# Altium PCB higgs.PcbDoc (part 17 of 25)
Units mm, origin at the board's own origin, x right, y up, seen from the top; angles counter-clockwise.
Board outline 160 x 160 mm, 15 copper layers (TOP, P1(GND), S1(V), P2(GND), S2(H), P3(GND), S3(V12/V2V5), S4(VDDR), P4(GND), S5(V), P5(GND), S6(H), P6(GND), P1(GND) (Plane1), BOT), stack 3.262 mm thick; 1283 components, 2419 nets, 11066 pads, 5487 vias.
Unrouted connection lines stored in the file: 239.
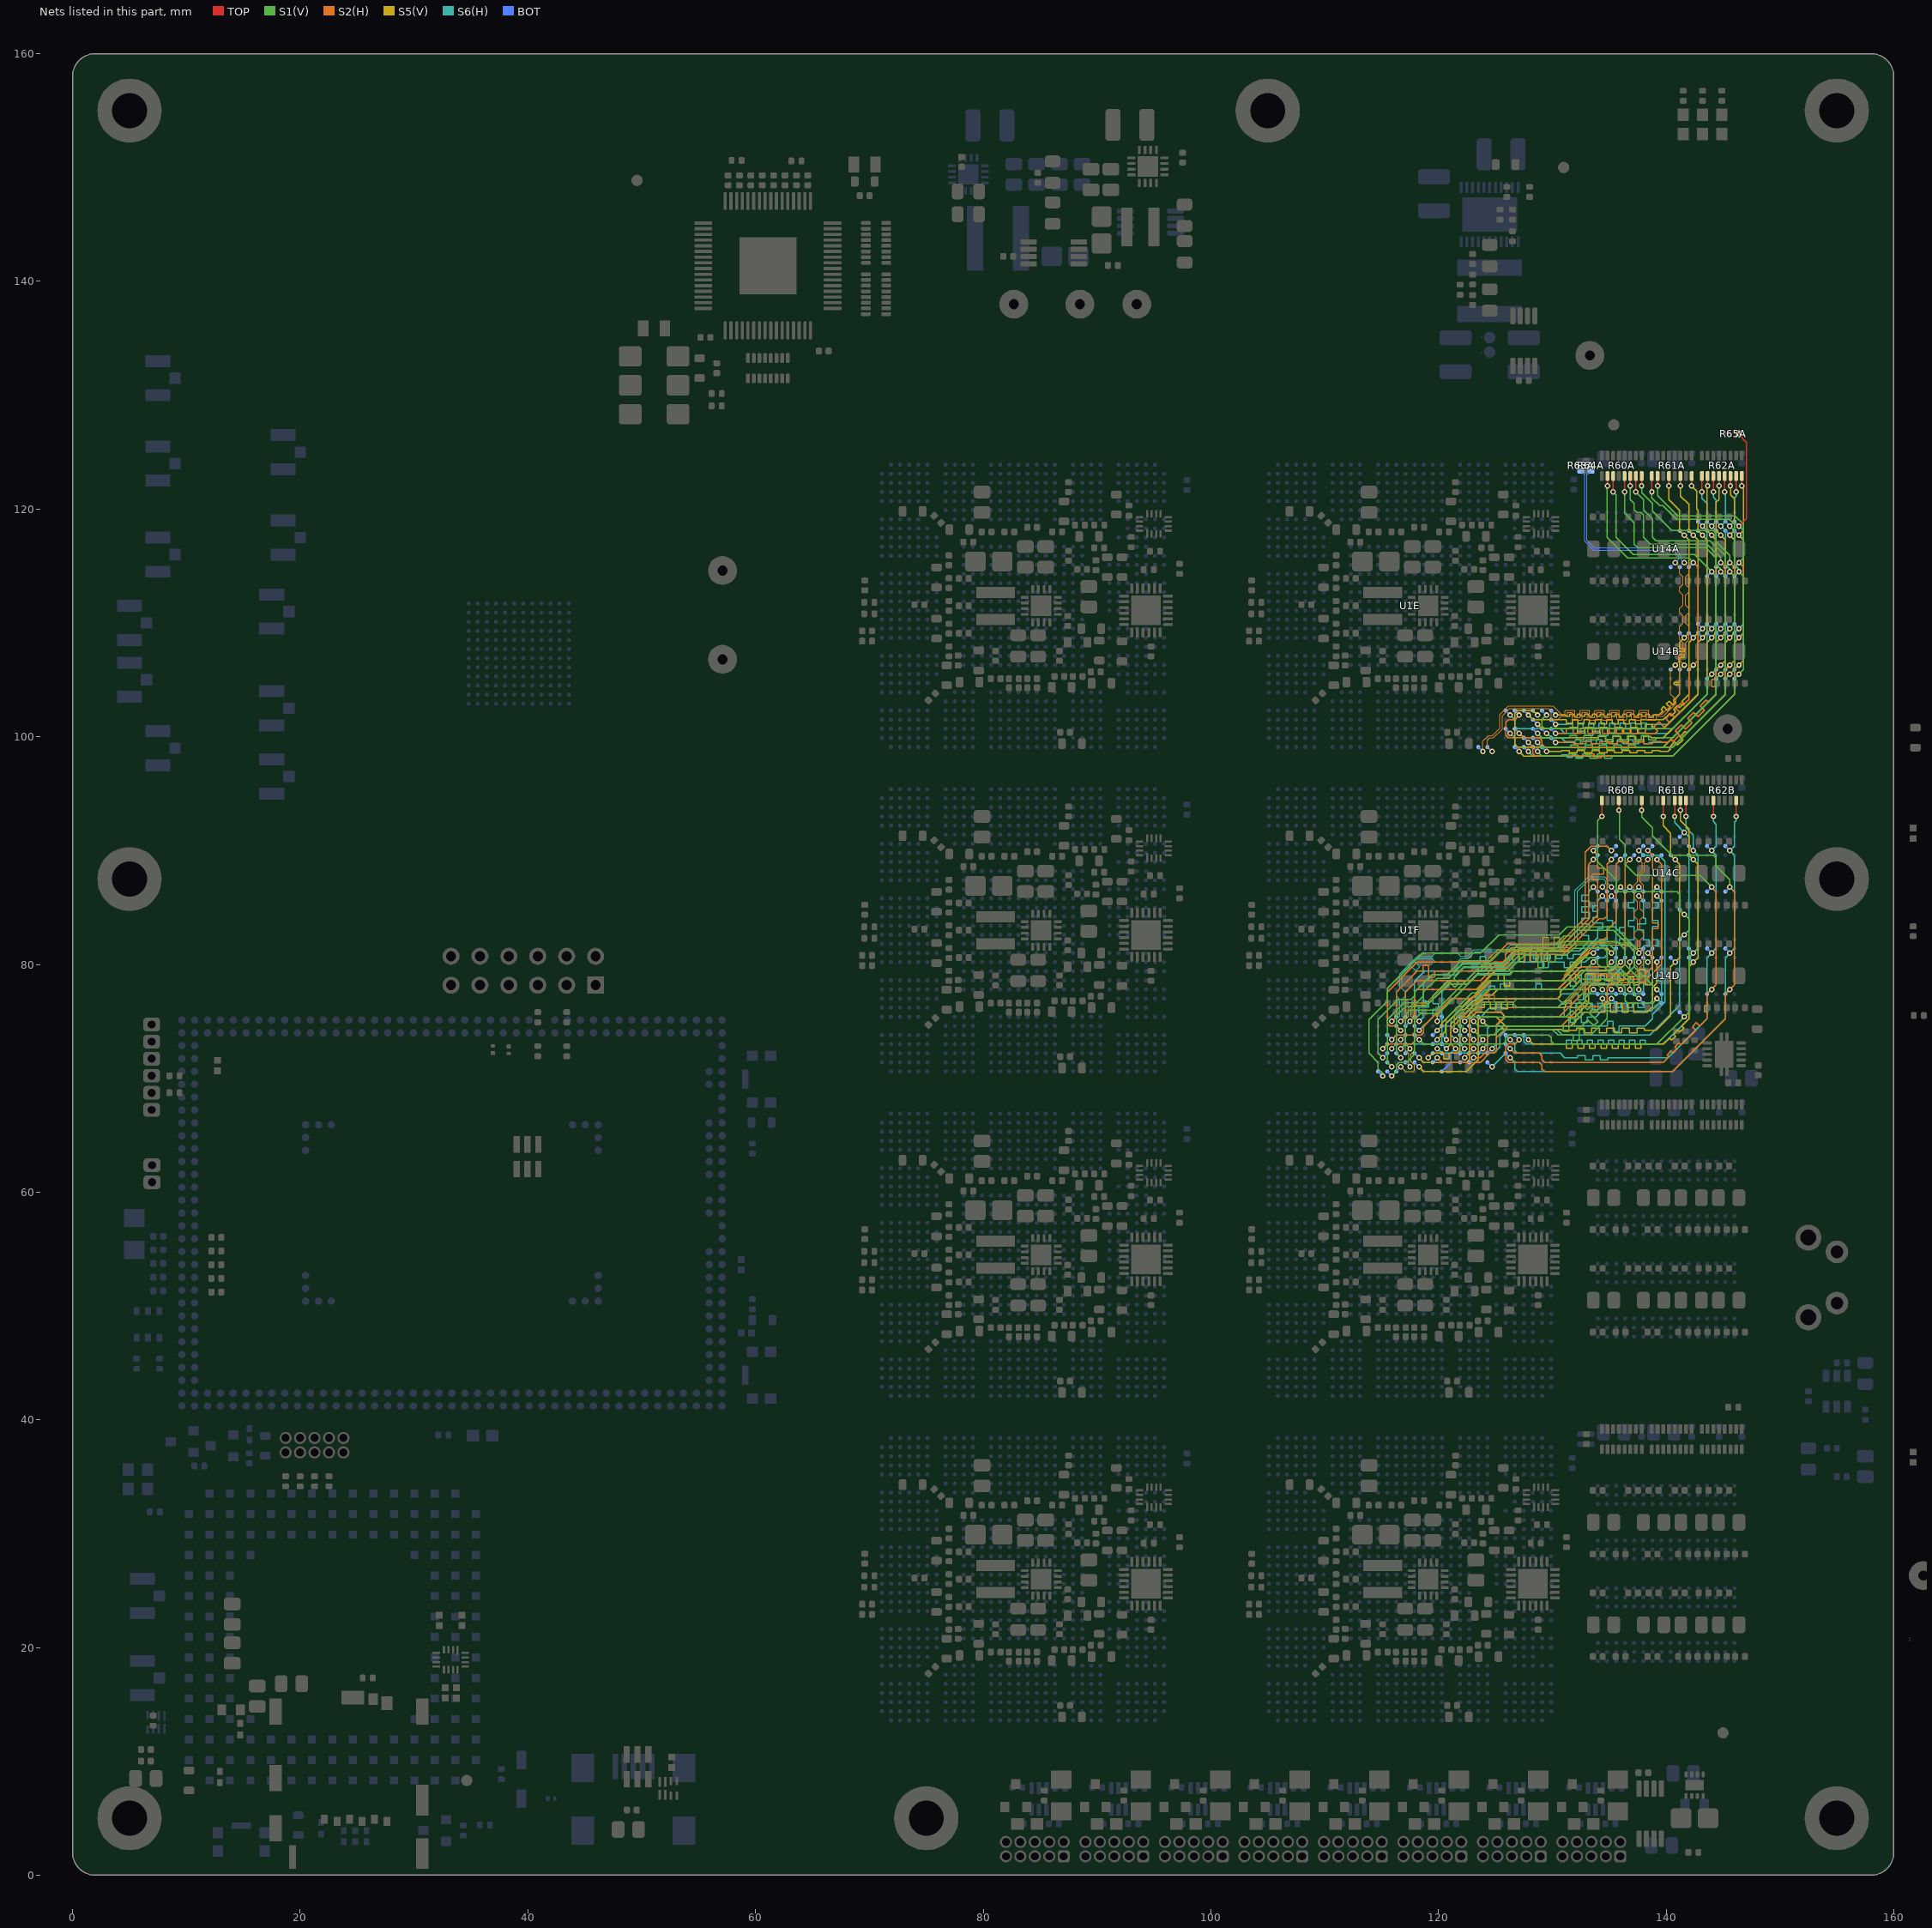
[diagram p30: the nets of this part, all layers, seen from the top]

## Via types
v1: diameter 0.483, hole 0.254, TOP to BOT, tented both sides, 5146 vias
v2: diameter 0.457, hole 0.254, TOP to BOT, tented both sides, 278 vias
v3: diameter 0.5, hole 0.25, TOP to BOT, 50 vias
v4: diameter 0.483/0/0/0/0.483/0/0/0.483 (per signal layer), hole 0.254, TOP to BOT, tented both sides, 7 vias
v5: diameter 0.483, hole 0.254, TOP to BOT, tented bottom, 5 vias
v6: diameter 0.483, hole 0.254, TOP to BOT, 1 vias

## Nets (pads, with @x,y where several pads share a name; then routed paths per layer and width w, separated by ;. In a path a pad name is that pad's centre, name@x,y a point inside that pad or via, vN(x,y) a via of type N, cw(c..) or ccw(c..) an arc to the next point about the centre after c; other vN are vias at no path point) (continued)
IL34_30.TB.G8.D0_P: R62A.3 U1E.AG28 U14A.N2 U14B.N2 | length 42.9
  TOP w0.102: v1(144.15,121.5) R62A.3@144.15,122.905
  S6(H) w0.102: v1(126.3,101.9) 126.7,101.5 126.7,100.934 126.934,100.7 130.7,100.7 131.1,100.3 131.9,100.3 132.231,100.3 132.231,100.48 132.894,100.48 132.894,100.3 132.894,100.1 133.557,100.1 133.557,100.3 133.557,100.48 134.22,100.48 134.22,100.3 134.22,100.1 134.883,100.1 134.883,100.3 135.2,100.3 140.166,100.3 143.6,103.734 143.6,109.1 v1(144,109.5) 144.4,109.9 144.4,118.1 v1(144,118.5) 144.4,118.9 144.4,120.8 144.15,121.05 v1(144.15,121.5)
  BOT w0.102: U1E.AG28@125.9,102.3 v1(126.3,101.9) ; U14B.N2@143.6,109.9 v1(144,109.5) ; U14A.N2@143.6,118.9 v1(144,118.5)
IL34_30.TB.G8.D1_N: R60A.8 U1E.AH28 U14A.R7 U14B.R7 | length 51.2
  TOP w0.102: v1(137.85,122.05) R60A.8@137.85,122.905
  S1(V) w0.102: v1@137.9,122.05 137.85,122 137.85,121.45 138.8,120.5 138.8,119.8 140.5,118.1 144.166,118.1 144.4,117.866 144.4,117.131 145.601,115.931 v1(145.601,115.3)
  S2(H) w0.102: v1(127.1,101.9) 126.699,101.499 126.135,101.499 125.901,101.265 125.901,100.135 126.135,99.901 127.735,99.901 ; v1(145.601,115.3) 146.001,114.9 146.001,106.7 v1(145.601,106.3) 145.201,105.9 145.201,103.9 145.201,103.734 140.567,99.1 129.334,99.1 129.1,99.334 129.1,99.666 128.866,99.9 127.736,99.9 ; 127.735,99.901 127.736,99.9
  BOT w0.102: U1E.AH28@126.7,102.3 v1(127.1,101.9) ; U14B.R7@145.201,105.9 v1(145.601,106.3) ; U14A.R7@145.201,114.9 v1(145.601,115.3)
IL34_30.TB.G8.D1_P: R61A.6 U1E.AJ28 U14A.L3 U14B.L3 | length 43.2
  TOP w0.102: v1(141.25,122.05) R61A.6@141.25,122.905
  S5(V) w0.102: v1(127.9,101.9) 128.3,101.5 131.252,101.5 131.252,101.135 131.754,101.135 131.754,101.5 132.257,101.5 132.257,101.135 132.76,101.135 132.76,101.5 133.263,101.5 133.263,101.135 133.766,101.135 133.766,101.5 134.269,101.5 134.269,101.135 134.772,101.135 134.772,101.5 135.275,101.5 135.275,101.135 135.778,101.135 135.778,101.5 136.281,101.5 136.281,101.135 136.784,101.135 136.784,101.5 137.287,101.5 137.287,101.135 137.79,101.135 137.79,101.5 139.766,101.5 140.3,102.034 140.484,101.849 140.84,102.205 140.655,102.389 141.011,102.745 141.196,102.56 141.551,102.916 141.367,103.101 142,103.734 142,108.3 v1(142.4,108.7) 142.8,109.1 142.8,117.3 v1(142.4,117.7) 142,118.1 142,120.4 141.25,121.15 v1(141.25,122.05)
  BOT w0.102: U1E.AJ28@127.5,102.3 v1(127.9,101.9) ; U14B.L3@142,109.1 v1(142.4,108.7) ; U14A.L3@142,118.1 v1(142.4,117.7)
IL34_30.TB.G8.D2_N: R62A.7 U1E.AG30 U14A.R2 U14B.R2 | length 43.2
  TOP w0.102: v1(146.15,121.5) R62A.7@146.15,122.905
  S6(H) w0.102: v1(126.3,100.3) 126.7,99.9 126.7,99.334 126.934,99.1 140.567,99.1 145.201,103.734 145.201,109.1 v1(145.601,109.5) 146.001,109.9 146.001,118.1 v1(145.601,118.5) 146.001,118.9 146.001,121.001 146.15,121.15 v1(146.15,121.5)
  BOT w0.102: U1E.AG30@125.9,100.7 v1(126.3,100.3) ; U14B.R2@145.201,109.9 v1(145.601,109.5) ; U14A.R2@145.201,118.9 v1(145.601,118.5)
IL34_30.TB.G8.D2_P: R62A.2 U1E.AH30 U14A.N3 U14B.N3 | length 43
  TOP w0.102: v1(143.65,122.05) R62A.2@143.65,122.905
  S5(V) w0.102: v1(127.1,100.3) 127.5,99.9 134.031,99.9 134.031,100.025 134.694,100.025 134.694,99.53 135.357,99.53 135.357,100.025 136.02,100.025 136.02,99.53 136.683,99.53 136.683,100.025 137.346,100.025 137.346,99.53 138.009,99.53 138.009,100.025 138.672,100.025 138.672,99.9 139.766,99.9 143.6,103.734 143.6,108.3 v1(144,108.7) 144.4,109.1 144.4,117.3 v1(144,117.7) 143.6,118.1 143.6,122 v1(143.65,122.05)
  BOT w0.102: U1E.AH30@126.7,100.7 v1(127.1,100.3) ; U14B.N3@143.6,109.1 v1(144,108.7) ; U14A.N3@143.6,118.1 v1(144,117.7)
IL34_30.TB.G8.D3_N: R60A.5 U1E.AK30 U14A.P8 U14B.P8 | length 50.4
  TOP w0.102: v1(136.35,121.5) R60A.5@136.35,122.905
  S1(V) w0.102: v1(128.7,100.3) 129.1,99.9 131.2,99.9 131.517,99.9 131.517,100.09 132.149,100.09 132.149,99.9 132.149,99.71 132.782,99.71 132.782,99.9 132.782,100.09 133.415,100.09 133.415,99.9 133.415,99.71 134.048,99.71 134.048,99.9 134.048,100.09 134.681,100.09 134.681,99.9 134.681,99.71 135.314,99.71 135.314,99.9 135.314,100.09 135.947,100.09 135.947,99.9 135.947,99.71 136.58,99.71 136.58,99.9 136.58,100.09 137.213,100.09 137.213,99.9 137.213,99.71 137.846,99.71 137.846,99.9 137.846,100.09 138.479,100.09 138.479,99.9 138.479,99.71 139.112,99.71 139.112,99.9 139.4,99.9 140.567,99.9 144.4,103.734 144.4,105.1 v1(144.801,105.5) 145.201,105.9 145.201,114.1 v1(144.801,114.5) 144.801,114.734 144.401,115.134 144.401,115.4 144.4,115.7 143.486,116.614 137.517,116.614 137.2,116.931 137.2,118.8 136.35,119.65 v1(136.35,121.5)
  BOT w0.102: U1E.AK30@128.3,100.7 v1(128.7,100.3) ; U14B.P8@144.401,105.1 v1(144.801,105.5) ; U14A.P8@144.401,114.1 v1(144.801,114.5)
IL34_30.TB.G8.D3_P: R61A.8 U1E.AK29 U14A.M3 U14B.M3 | length 43
  TOP w0.102: v1(142.25,122.05) R61A.8@142.25,122.905
  S5(V) w0.102: v1(128.7,101.1) 129.1,100.7 131.531,100.7 131.531,100.83 132.194,100.83 132.194,100.33 132.857,100.33 132.857,100.83 133.52,100.83 133.52,100.33 134.183,100.33 134.183,100.83 134.846,100.83 134.846,100.33 135.509,100.33 135.509,100.83 136.172,100.83 136.172,100.33 136.835,100.33 136.835,100.83 137.498,100.83 137.498,100.33 138.161,100.33 138.161,101.07 138.824,101.07 138.824,100.7 139.766,100.7 142.8,103.734 142.8,108.3 v1(143.2,108.7) 143.6,109.1 143.6,117.3 v1(143.2,117.7) 142.8,118.1 142.8,119.884 142.7,119.984 142.7,121.6 v1(142.25,122.05)
  BOT w0.102: U1E.AK29@128.3,101.5 v1(128.7,101.1) ; U14B.M3@142.8,109.1 v1(143.2,108.7) ; U14A.M3@142.8,118.1 v1(143.2,117.7)
IL34_30.TB.G13.C_N: R64A.2 U1E.AE32 U14A.K7 U14B.K7 | length 60
  S2(H) w0.089: v1(124.7,98.7) 124.3,99.1 124.3,99.666 124.534,99.9 124.822,99.9 125.601,100.679 125.601,101.856 126.242,102.497 129.703,102.497 129.9,102.3 129.9,101.6 130,101.5 130.466,101.5 130.762,101.797 131.268,101.797 131.328,101.856 131.328,102.127 131.775,102.127 131.775,101.526 131.835,101.467 132.569,101.467 132.628,101.526 132.628,102.127 133.076,102.127 133.076,101.526 133.135,101.467 133.87,101.467 133.929,101.526 133.929,102.127 134.376,102.127 134.376,101.526 134.436,101.467 135.17,101.467 135.23,101.526 135.23,102.127 135.677,102.127 135.677,101.526 135.736,101.467 136.471,101.467 136.53,101.526 136.53,102.127 136.977,102.127 136.977,101.526 137.037,101.467 137.771,101.467 137.831,101.526 137.831,102.127 138.278,102.127 138.278,101.526 138.337,101.467 139.072,101.467 139.131,101.526 139.131,101.797 139.736,101.797 140.88,102.941 140.88,103.414 141.2,103.734 141.2,105.9 v1(141.6,106.3) 141.302,106.598 141.302,107 141.7,107.398 141.7,107.5 141.702,107.502 141.702,108.236 142,108.535 142,109.666 141.702,109.964 141.702,110.636 142,110.935 142,111.266 141.702,111.564 141.702,112.436 142,112.734 142,113.065 141.702,113.364 141.702,114.036 142,114.334 142,114.9 v1(141.6,115.3)
  BOT w0.089: R64A.2@133.4,123.355 133.052,123.007 133.052,117.248 133.696,116.603 140.683,116.603 141.302,115.984 141.302,115.598 v1(141.6,115.3) U14A.K7@141.2,114.9 ; U14B.K7@141.2,105.9 v1(141.6,106.3)
  BOT w0.102: U1E.AE32@124.3,99.1 v1(124.7,98.7)
IL34_30.TB.G13.C_P: R63A.2 U1E.AD32 U14A.J7 U14B.J7 | length 59.2
  S2(H) w0.089: v1(123.9,98.7) 123.9,99.6 124.403,100.103 124.738,100.103 125.398,100.763 125.398,101.94 126.158,102.7 130.066,102.7 130.766,102 131.125,102 131.125,102.27 131.184,102.33 131.919,102.33 131.978,102.27 131.978,101.67 132.425,101.67 132.425,102.27 132.485,102.33 133.219,102.33 133.279,102.27 133.279,101.67 133.726,101.67 133.726,102.27 133.785,102.33 134.52,102.33 134.579,102.27 134.579,101.67 135.026,101.67 135.026,102.27 135.086,102.33 135.82,102.33 135.88,102.27 135.88,101.67 136.327,101.67 136.327,102.27 136.387,102.33 137.121,102.33 137.181,102.27 137.181,101.67 137.628,101.67 137.628,102.27 137.687,102.33 138.422,102.33 138.481,102.27 138.481,101.67 138.928,101.67 138.928,101.94 138.988,102 139.652,102 140.677,103.025 140.677,103.457 140.4,103.734 140.4,105.9 v1(140.8,106.3) 141.099,106.598 141.099,107.084 141.497,107.482 141.497,107.584 141.499,107.586 141.499,108.236 141.2,108.535 141.2,109.666 141.499,109.964 141.499,110.636 141.2,110.935 141.2,111.266 141.499,111.564 141.499,112.436 141.2,112.734 141.2,113.065 141.499,113.364 141.499,114.036 141.2,114.334 141.2,114.9 v1(140.8,115.3)
  BOT w0.089: R63A.2@132.5,123.355 132.848,123.007 132.848,117.163 133.612,116.4 140.599,116.4 141.099,115.9 141.099,115.598 v1(140.8,115.3) U14A.J7@140.4,114.9 ; U14B.J7@140.4,105.9 v1(140.8,106.3)
  BOT w0.102: U1E.AD32@123.5,99.1 v1(123.9,98.7)
IL34_30.TB.G13.D0_N: R62A.1 U1E.AM29 U14A.M2 U14B.M2 | length 42.9
  TOP w0.102: v1(143.15,121.5) R62A.1@143.15,122.905
  S6(H) w0.102: v1(130.3,101.1) 131.1,101.1 131.332,101.1 131.332,101.195 131.794,101.195 131.794,101.1 131.794,100.785 132.257,100.785 132.257,101.1 132.257,101.195 132.72,101.195 132.72,101.1 132.72,100.785 133.183,100.785 133.183,101.1 133.183,101.195 133.646,101.195 133.646,101.1 133.646,100.785 134.109,100.785 134.109,101.1 134.109,101.195 134.572,101.195 134.572,101.1 134.572,100.757 135.035,100.757 135.035,101.1 135.035,101.195 135.498,101.195 135.498,101.1 135.498,100.66 135.961,100.66 135.961,101.1 135.961,101.195 136.424,101.195 136.424,101.1 136.424,100.66 136.887,100.66 136.887,101.1 136.887,101.195 137.35,101.195 137.35,101.1 137.35,100.66 137.813,100.66 137.813,101.1 137.813,101.195 138.276,101.195 138.276,101.1 138.276,100.66 138.739,100.66 138.739,101.1 138.8,101.1 140.166,101.1 142.8,103.734 142.8,109.1 v1(143.2,109.5) 143.6,109.9 143.6,118.1 v1(143.2,118.5) 143.6,118.9 143.6,120.484 143.15,120.934 v1(143.15,121.5)
  BOT w0.102: U1E.AM29@129.9,101.5 v1(130.3,101.1) ; U14B.M2@142.8,109.9 v1(143.2,109.5) ; U14A.M2@142.8,118.9 v1(143.2,118.5)
IL34_30.TB.G13.D0_P: R61A.4 U1E.AM28 U14A.K3 U14B.K3 | length 43.2
  TOP w0.102: v1(140.25,122.05) R61A.4@140.25,122.905
  S5(V) w0.102: v1(130.3,101.9) 131.199,101.9 131.199,101.805 131.532,101.805 131.532,101.995 131.865,101.995 131.865,101.805 132.198,101.805 132.198,101.995 132.531,101.995 132.531,101.805 132.864,101.805 132.864,101.995 133.197,101.995 133.197,101.805 133.53,101.805 133.53,101.995 133.863,101.995 133.863,101.805 134.196,101.805 134.196,101.995 134.529,101.995 134.529,101.805 134.862,101.805 134.862,101.995 135.195,101.995 135.195,101.805 135.528,101.805 135.528,101.995 135.861,101.995 135.861,101.805 136.194,101.805 136.194,101.995 136.527,101.995 136.527,101.805 136.86,101.805 136.86,101.995 137.193,101.995 137.193,101.805 137.526,101.805 137.526,101.995 137.859,101.995 137.859,101.805 138.192,101.805 138.192,101.995 138.525,101.995 138.525,101.805 138.858,101.805 138.858,101.9 139.366,101.9 139.719,102.253 139.554,102.418 139.79,102.654 140.139,102.304 140.375,102.54 140.025,102.889 140.261,103.125 140.61,102.775 140.846,103.011 140.661,103.195 141.2,103.734 141.2,104.592 140.705,104.592 140.705,104.795 141.2,104.795 141.2,106.98 141.58,106.98 141.58,107.233 140.82,107.233 140.82,107.486 141.58,107.486 141.58,107.739 141.2,107.739 141.2,108.3 v1(141.6,108.7) 142,109.1 142,117.3 v1(141.6,117.7) 141.2,118.1 141.2,119.9 140.25,120.85 v1(140.25,122.05)
  BOT w0.102: U1E.AM28@129.9,102.3 v1(130.3,101.9) ; U14B.K3@141.2,109.1 v1(141.6,108.7) ; U14A.K3@141.2,118.1 v1(141.6,117.7)
IL34_30.TB.G13.D1_N: R62A.4 U1E.AK28 U14A.P3 U14B.P3 | length 46.3
  TOP w0.102: v1(144.65,122.05) R62A.4@144.65,122.905
  S5(V) w0.102: v1(128.7,101.9) 128.301,102.299 126.935,102.299 126.701,102.065 126.701,99.335 126.935,99.101 127.699,99.101 ; v1(144.65,122.05) 144.65,120.849 144.4,120.6 144.4,118.6 144.401,118.1 v1(144.801,117.7) 145.201,117.3 145.201,109.1 v1(144.801,108.7) 144.4,108.3 144.4,103.734 139.767,99.1 127.7,99.1 ; 127.699,99.101 127.7,99.1
  BOT w0.102: U1E.AK28@128.3,102.3 v1(128.7,101.9) ; U14B.P3@144.401,109.1 v1(144.801,108.7) ; U14A.P3@144.401,118.1 v1(144.801,117.7)
IL34_30.TB.G13.D1_P: R60A.3 U1E.AL28 U14A.N8 U14B.N8 | length 45.1
  TOP w0.102: v1(135.35,121.5) R60A.3@135.35,122.905
  S1(V) w0.102: v1(129.5,101.9) 129.101,101.501 129.101,100.935 129.335,100.701 130.899,100.701 130.9,100.7 140.566,100.7 143.6,103.734 143.6,105.1 v1(144,105.5) 144.4,105.9 144.4,114.1 v1(144,114.5) 142.496,116.005 137.1,116.005 135.6,117.505 135.6,121.25 v1(135.35,121.5)
  BOT w0.102: U1E.AL28@129.1,102.3 v1(129.5,101.9) ; U14B.N8@143.6,105.1 v1(144,105.5) ; U14A.N8@143.6,114.1 v1(144,114.5)
IL34_30.TB.G13.D2_N: R65A.1 U1E.AJ32 U14A.T2 U14B.T2 | length 46.9
  TOP w0.102: R65A.1@146.345,126.58 147.074,125.851 147.074,119.174 v1(146.401,118.5)
  S6(H) w0.102: v1(127.9,98.7) 128.3,98.3 130.6,98.3 130.831,98.3 130.831,98.4 131.294,98.4 131.294,98.3 131.294,98.2 131.757,98.2 131.757,98.3 131.757,98.4 132.22,98.4 132.22,98.3 132.22,98.2 132.683,98.2 132.683,98.3 132.9,98.3 140.567,98.3 146.001,103.734 146.001,109.1 v1(146.401,109.5) 146.801,109.9 146.801,118.1 v1(146.401,118.5)
  BOT w0.102: U1E.AJ32@127.5,99.1 v1(127.9,98.7) ; U14B.T2@146.001,109.9 v1(146.401,109.5) ; U14A.T2@146.001,118.9 v1(146.401,118.5)
IL34_30.TB.G13.D2_P: R61A.1 U1E.AK32 U14A.T8 U14B.T8 | length 49.4
  TOP w0.102: v1(138.75,121.5) R61A.1@138.75,122.905
  S1(V) w0.102: v1(128.7,98.7) 129.1,98.3 131.1,98.3 131.417,98.3 131.417,98.49 132.049,98.49 132.049,98.3 132.049,98.11 132.682,98.11 132.682,98.3 132.682,98.49 133.315,98.49 133.315,98.3 133.315,98.11 133.948,98.11 133.948,98.3 133.948,98.49 134.581,98.49 134.581,98.3 134.581,98.11 135.214,98.11 135.214,98.3 135.4,98.3 140.567,98.3 146.001,103.734 146.001,105.1 v1(146.401,105.5) 146.801,105.9 146.801,114.1 v1(146.401,114.5) 146.401,114.734 146.001,115.134 146.001,115.4 146.001,118.666 145.567,119.1 140.9,119.1 139.7,120.3 139.431,120.3 138.75,120.981 v1(138.75,121.5)
  BOT w0.102: U1E.AK32@128.3,99.1 v1(128.7,98.7) ; U14B.T8@146.001,105.1 v1(146.401,105.5) ; U14A.T8@146.001,114.1 v1(146.401,114.5)
IL34_30.TB.G13.D3_N: R62A.5 U1E.AL30 U14A.P2 U14B.P2 | length 42.8
  TOP w0.102: v1(145.15,121.5) R62A.5@145.15,122.905
  S6(H) w0.102: v1(129.5,100.3) 129.9,99.9 130.8,99.9 131.2,99.5 131.8,99.5 132.031,99.5 132.031,99.71 132.494,99.71 132.494,99.5 132.494,99.405 132.957,99.405 132.957,99.5 132.957,99.71 133.42,99.71 133.42,99.5 133.42,99.405 133.883,99.405 133.883,99.5 133.883,99.71 134.346,99.71 134.346,99.5 134.346,99.405 134.809,99.405 134.809,99.5 134.809,99.71 135.272,99.71 135.272,99.5 135.272,99.405 135.735,99.405 135.735,99.5 135.735,99.71 136.198,99.71 136.198,99.5 136.198,99.405 136.661,99.405 136.661,99.5 136.661,99.71 137.124,99.71 137.124,99.5 137.124,99.405 137.587,99.405 137.587,99.5 137.587,99.71 138.05,99.71 138.05,99.5 138.05,99.405 138.513,99.405 138.513,99.5 138.9,99.5 140.167,99.5 144.4,103.734 144.4,109.1 v1(144.801,109.5) 145.201,109.9 145.201,118.1 v1(144.801,118.5) 145.201,118.9 145.201,121.449 v1(145.15,121.5)
  BOT w0.102: U1E.AL30@129.1,100.7 v1(129.5,100.3) ; U14B.P2@144.401,109.9 v1(144.801,109.5) ; U14A.P2@144.401,118.9 v1(144.801,118.5)
IL34_30.TB.G13.D3_P: R60A.2 U1E.AM30 U14A.L7 U14B.L7 | length 49.6
  TOP w0.102: v1(134.85,122.05) R60A.2@134.85,122.905
  S1(V) w0.102: v1@134.799,122.05 134.799,117.535 136.634,115.7 142,115.7 v1(142.4,115.3)
  S2(H) w0.102: v1(130.3,100.3) 130.9,100.3 131.217,100.3 131.217,100.76 131.85,100.76 131.85,100.3 132.482,100.3 132.482,100.76 133.115,100.76 133.115,100.3 133.748,100.3 133.748,100.76 134.381,100.76 134.381,100.3 135.014,100.3 135.014,100.76 135.647,100.76 135.647,100.3 136.28,100.3 136.28,100.76 136.913,100.76 136.913,100.3 137.546,100.3 137.546,100.76 138.179,100.76 138.179,100.3 138.812,100.3 139.025,100.3 139.249,100.524 138.924,100.849 139.371,101.297 139.696,100.971 139.882,100.786 140.33,101.234 140.144,101.419 139.962,101.601 140.41,102.049 140.592,101.867 140.777,101.681 141.225,102.129 141.039,102.314 140.857,102.496 141.305,102.944 141.487,102.762 141.763,103.038 142,103.275 142,103.875 ; 142,103.875 142,105.9 v1(142.4,106.3) 142.8,106.7 142.8,114.9 v1(142.4,115.3)
  BOT w0.102: U1E.AM30@129.9,100.7 v1(130.3,100.3) ; U14B.L7@142,105.9 v1(142.4,106.3) ; U14A.L7@142,114.9 v1(142.4,115.3)
IL34_30.TB.G13.D4_N: R61A.2 U1E.AJ31 U14A.T7 U14B.T7 | length 49.5
  TOP w0.102: v1(139.25,122.05) R61A.2@139.25,122.905
  S1(V) w0.102: v1@139.3,122.05 139.25,122 139.25,121.181 141.026,119.405 146.062,119.405 146.801,118.666 146.801,115.7 v1(146.401,115.3)
  S2(H) w0.102: v1(127.9,99.5) 128.3,99.1 128.3,98.534 128.534,98.3 132.682,98.3 133.014,98.3 133.014,98.47 133.677,98.47 133.677,98.3 133.677,98.13 134.34,98.13 134.34,98.3 134.7,98.3 140.567,98.3 146.001,103.734 146.001,105.9 v1(146.401,106.3) 146.801,106.7 146.801,114.9 v1(146.401,115.3)
  BOT w0.102: U1E.AJ31@127.5,99.9 v1(127.9,99.5) ; U14B.T7@146.001,105.9 v1(146.401,106.3) ; U14A.T7@146.001,114.9 v1(146.401,115.3)
IL34_30.TB.G13.D4_P: R60A.7 U1E.AK31 U14A.R8 U14B.R8 | length 49.6
  TOP w0.102: v1(137.35,121.5) R60A.7@137.35,122.905
  S1(V) w0.102: v1(128.7,99.5) 129.1,99.1 131.3,99.1 131.617,99.1 131.617,99.29 132.249,99.29 132.249,99.1 132.249,98.91 132.882,98.91 132.882,99.1 132.882,99.29 133.515,99.29 133.515,99.1 133.515,98.91 134.148,98.91 134.148,99.1 134.148,99.29 134.781,99.29 134.781,99.1 134.781,98.91 135.414,98.91 135.414,99.1 135.414,99.29 136.047,99.29 136.047,99.1 136.047,98.91 136.68,98.91 136.68,99.1 136.68,99.29 137.313,99.29 137.313,99.1 137.4,99.1 140.567,99.1 145.201,103.734 145.201,105.1 v1(145.601,105.5) 146.001,105.9 146.001,114.1 v1(145.601,114.5) 145.601,114.734 145.201,115.134 145.201,115.3 ; v1(137.35,121.5) 138,120.85 138,119.935 138.8,119.135 138.8,117.535 139.111,117.224 143.877,117.224 145.201,115.9 145.201,115.3
  BOT w0.102: U1E.AK31@128.3,99.9 v1(128.7,99.5) ; U14B.R8@145.201,105.1 v1(145.601,105.5) ; U14A.R8@145.201,114.1 v1(145.601,114.5)
IL34_30.TB.G13.D5_N: R62A.6 U1E.AL32 U14A.R3 U14B.R3 | length 43
  TOP w0.102: v1(145.65,122.05) R62A.6@145.65,122.905
  S5(V) w0.102: v1(129.5,98.7) 130.831,98.7 130.831,98.795 131.494,98.795 131.494,98.605 132.157,98.605 132.157,98.795 132.82,98.795 132.82,98.605 133.483,98.605 133.483,98.795 134.146,98.795 134.146,98.605 134.809,98.605 134.809,98.795 135.472,98.795 135.472,98.605 136.135,98.605 136.135,98.795 136.798,98.795 136.798,98.605 137.461,98.605 137.461,98.795 138.124,98.795 138.124,98.605 138.787,98.605 138.787,98.795 139.45,98.795 139.45,98.7 140.167,98.7 140.401,98.934 140.274,99.062 140.743,99.531 140.87,99.403 140.997,99.276 141.466,99.745 141.339,99.872 141.211,99.999 141.68,100.468 141.807,100.341 145.201,103.734 145.201,108.3 v1(145.601,108.7) 146.001,109.1 146.001,117.3 v1(145.601,117.7) 146.001,118.1 146.001,120.899 145.65,121.25 v1(145.65,122.05)
  BOT w0.102: U1E.AL32@129.1,99.1 v1(129.5,98.7) ; U14B.R3@145.201,109.1 v1(145.601,108.7) ; U14A.R3@145.201,118.1 v1(145.601,117.7)
IL34_30.TB.G13.D5_P: R60A.6 U1E.AM31 U14A.P7 U14B.P7 | length 49.7
  TOP w0.102: v1(136.85,122.05) R60A.6@136.85,122.905
  S1(V) w0.102: v1@136.9,122.05 136.85,122 136.85,120.85 137.2,120.5 137.2,119.935 137.434,119.7 137.765,119.7 138,119.466 138,117.7 ; 138,117.7 138,117.535 138.615,116.919 143.612,116.919 144.801,115.731 v1(144.801,115.3)
  S2(H) w0.102: v1(130.3,99.5) 130.7,99.5 131.086,99.5 131.086,99.595 131.859,99.595 131.859,99.5 131.859,99.405 132.632,99.405 132.632,99.5 132.632,99.595 133.405,99.595 133.405,99.5 133.405,99.405 134.178,99.405 134.178,99.5 134.178,99.595 134.951,99.595 134.951,99.5 134.951,99.405 135.724,99.405 135.724,99.5 135.724,99.595 136.497,99.595 136.497,99.5 136.497,99.405 137.27,99.405 137.27,99.5 137.27,99.595 138.043,99.595 138.043,99.5 138.043,99.405 138.816,99.405 138.816,99.5 138.816,99.595 139.589,99.595 139.589,99.5 140.167,99.5 140.44,99.773 140.624,99.589 141.171,100.135 140.986,100.32 140.802,100.504 141.348,101.051 141.533,100.866 141.718,100.682 142.264,101.229 142.08,101.413 141.895,101.598 142.442,102.144 142.626,101.96 142.811,101.775 143.357,102.322 143.173,102.506 142.988,102.691 143.535,103.237 143.719,103.053 144.033,103.367 144.4,103.734 144.4,103.9 144.401,104.1 144.401,104.417 144.011,104.417 144.011,105.05 144.401,105.05 144.401,105.3 144.401,105.9 v1(144.801,106.3) 145.201,106.7 145.201,114.9 v1(144.801,115.3)